# Altium PCB USB3.2_Hub_4Port.PcbDoc (part 2 of 4) (continued)
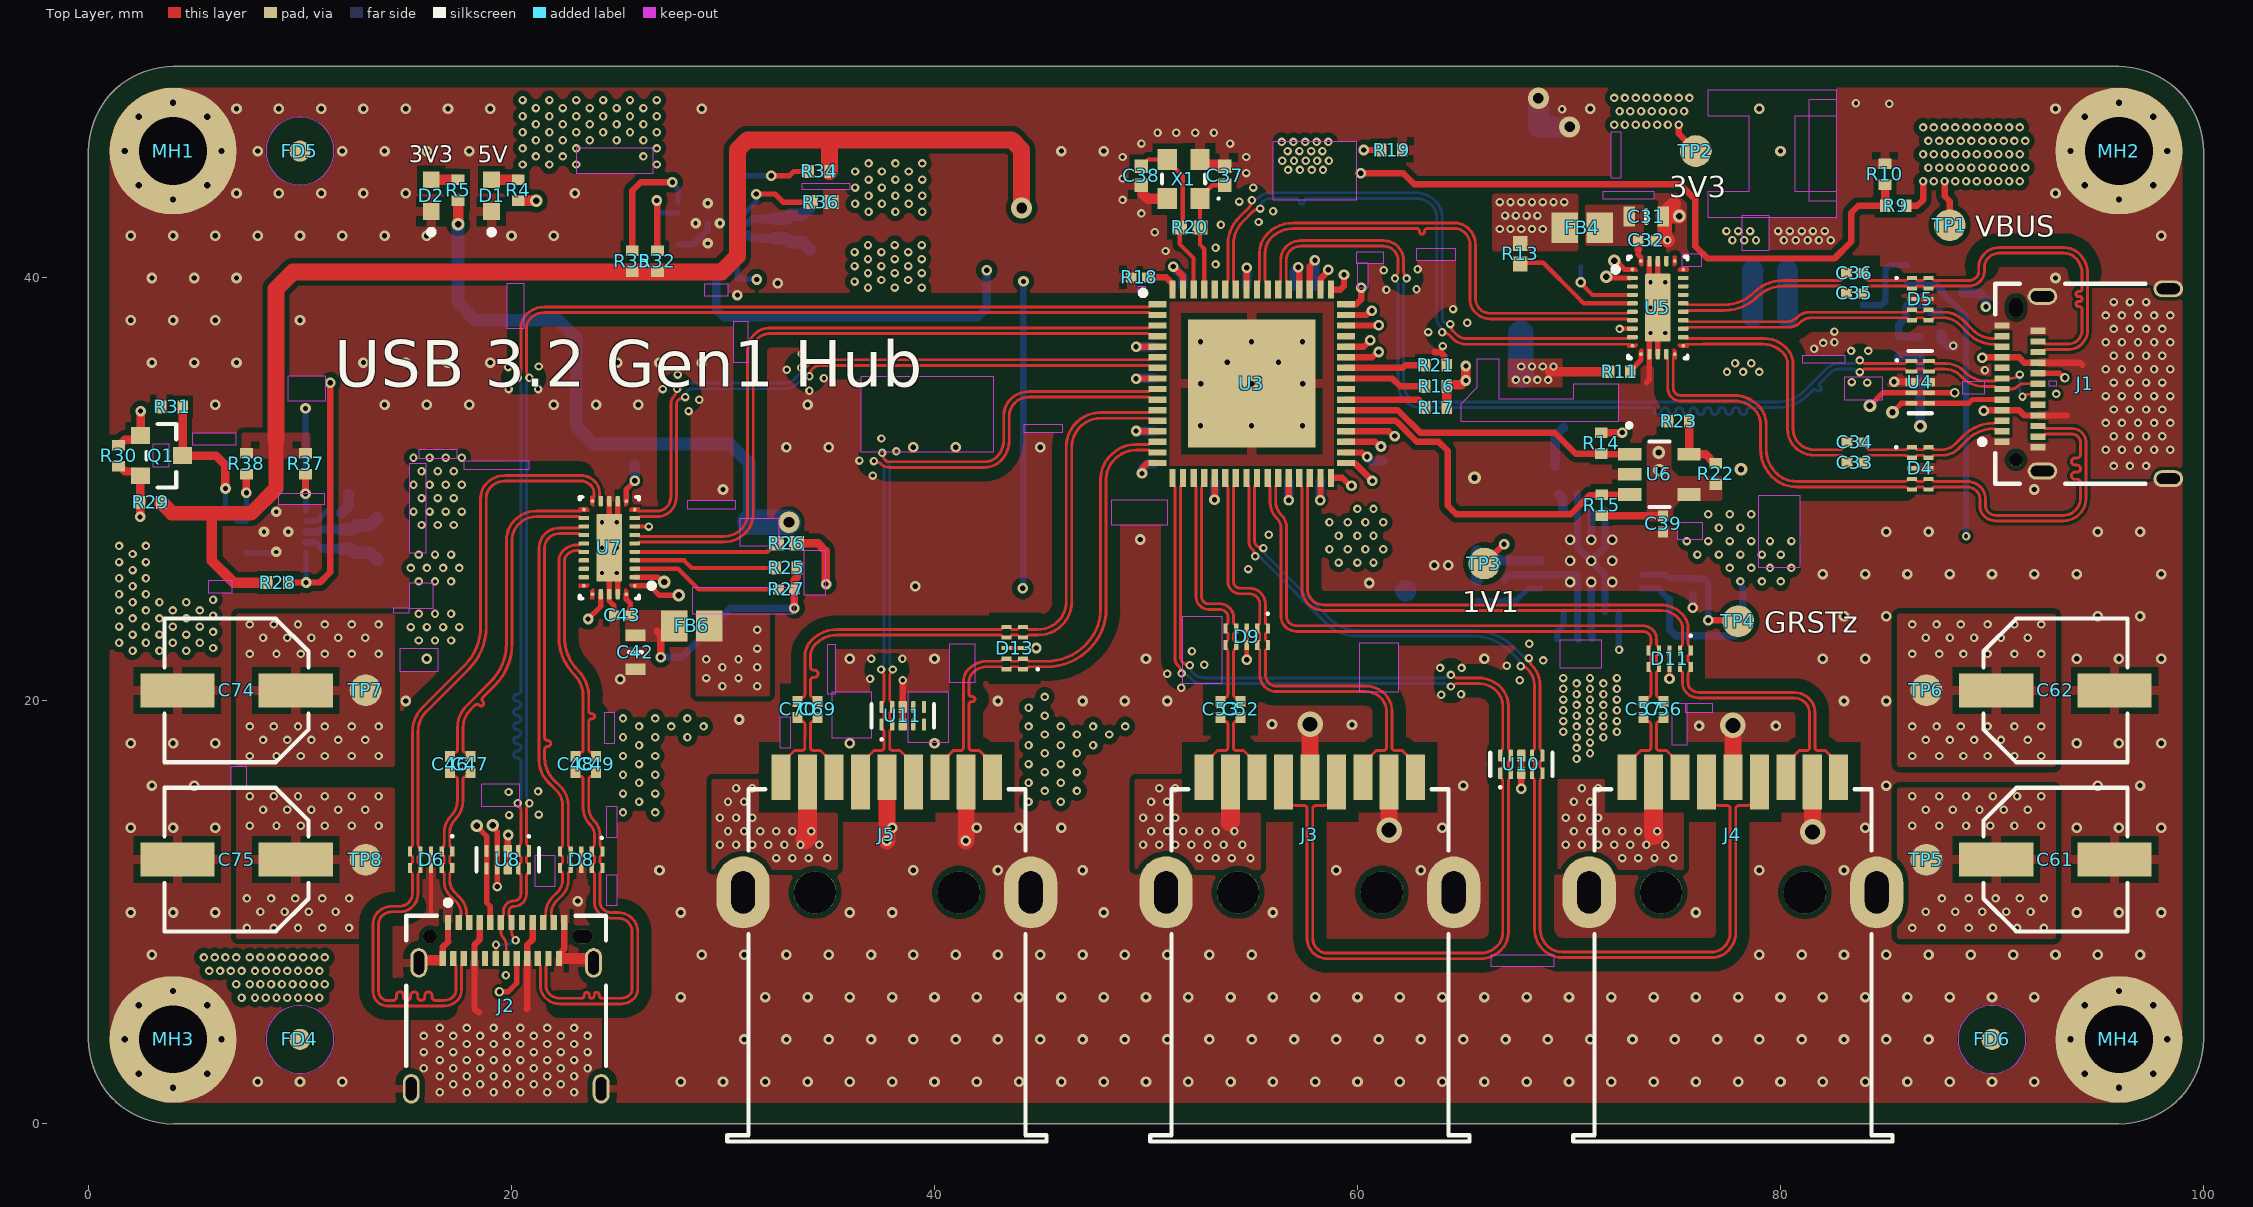
[diagram p0: Top Layer view]
## Nets (pads, with @x,y where several pads share a name; then routed paths per layer and width w, separated by ;. In a path a pad name is that pad's centre, name@x,y a point inside that pad or via, vN(x,y) a via of type N, cw(c..) or ccw(c..) an arc to the next point about the centre after c; other vN are vias at no path point) (continued)
  Bottom Layer w0.3: U1.1@83.876,38.717 84.767,38.717 84.963,38.913 84.963,40.437 85.143,40.617 U1.4@85.976,40.617
  other v1: 29.972,20.701 31.623,20.701 29.21,21.082 30.734,21.082 29.972,21.59 31.623,21.59 29.21,21.971 30.734,21.971 2.083,22.377 3.353,22.377 4.623,22.377 31.623,22.479 5.893,22.504 1.448,22.758 2.718,22.758 3.988,22.758 5.258,22.758 2.083,23.139 3.353,23.139 4.623,23.139 5.893,23.266 31.623,23.368 1.448,23.52 2.718,23.52 3.988,23.52 5.258,23.52 2.083,23.901 3.353,23.901 4.623,23.901 5.893,24.028 1.448,24.282 2.718,24.282 3.988,24.282 5.258,24.282 2.083,24.663 3.353,24.663 4.623,24.663 5.893,24.79 1.448,25.044 2.718,25.044 2.083,25.425 1.448,25.806 2.718,25.806 2.083,26.187 1.448,26.568 2.718,26.568 2.083,26.949 1.448,27.33 2.718,27.33 95.758,31.115 96.52,31.115 97.282,31.115 95.377,31.877 96.139,31.877 96.901,31.877 97.663,31.877 98.425,31.877 95.758,32.512 96.52,32.512 97.282,32.512 98.044,32.512 95.377,33.147 96.139,33.147 96.901,33.147 97.663,33.147 98.425,33.147 95.758,33.782 96.52,33.782 97.282,33.782 98.044,33.782 95.377,34.417 96.139,34.417 96.901,34.417 97.663,34.417 98.425,34.417 95.758,35.052 96.52,35.052 97.282,35.052 98.044,35.052 95.377,35.687 96.139,35.687 96.901,35.687 97.663,35.687 98.425,35.687 95.758,36.322 96.52,36.322 97.282,36.322 98.044,36.322 95.377,36.957 96.139,36.957 96.901,36.957 97.663,36.957 98.425,36.957 95.758,37.592 96.52,37.592 97.282,37.592 98.044,37.592 95.377,38.227 96.139,38.227 96.901,38.227 97.663,38.227 98.425,38.227 95.758,38.862 96.52,38.862 97.282,38.862 66.726,42.316 67.234,42.316 67.742,42.316 68.25,42.316 68.758,42.316 66.98,42.951 67.488,42.951 67.996,42.951 68.504,42.951 66.726,43.586 67.234,43.586 67.742,43.586 68.25,43.586 68.758,43.586 69.266,43.586 69.774,43.586 87.249,44.577 88.265,44.577 88.773,44.577 89.281,44.577 89.789,44.577 90.297,44.577 90.805,44.577 91.313,44.577 86.995,45.212 87.503,45.212 88.011,45.212 88.519,45.212 89.027,45.212 89.535,45.212 90.043,45.212 90.551,45.212 91.059,45.212 91.567,45.212 20.523,45.364 21.793,45.364 23.063,45.364 26.873,45.364 21.158,45.745 22.428,45.745 26.238,45.745 86.741,45.847 87.249,45.847 87.757,45.847 88.265,45.847 88.773,45.847 89.281,45.847 89.789,45.847 90.297,45.847 90.805,45.847 91.313,45.847 20.523,46.126 21.793,46.126 23.063,46.126 26.873,46.126 86.995,46.482 87.503,46.482 88.011,46.482 88.519,46.482 89.027,46.482 89.535,46.482 90.043,46.482 90.551,46.482 91.059,46.482 91.567,46.482 21.158,46.507 22.428,46.507 23.698,46.507 24.968,46.507 26.238,46.507 20.523,46.888 21.793,46.888 23.063,46.888 24.333,46.888 25.603,46.888 26.873,46.888 86.741,47.117 87.249,47.117 87.757,47.117 88.265,47.117 88.773,47.117 89.281,47.117 89.789,47.117 90.297,47.117 90.805,47.117 91.313,47.117 21.158,47.269 22.428,47.269 23.698,47.269 24.968,47.269 26.238,47.269 20.523,47.65 21.793,47.65 23.063,47.65 24.333,47.65 25.603,47.65 26.873,47.65 21.158,48.031 22.428,48.031 23.698,48.031 24.968,48.031 26.238,48.031 20.523,48.412 21.793,48.412 23.063,48.412 24.333,48.412 25.603,48.412 26.873,48.412
BUCK_FB: C10.2 R1.1 R3.2 U1.6 | length 4.3
  Bottom Layer w0.35: R1.1@85.575,37.263 85.617,37.221 86.558,37.221 C10.2@86.6,37.179 ; R1.1@85.588,37.263 85.588,37.785 85.934,38.131 85.934,38.633 85.976,38.675 U1.6@85.976,38.717 ; U1.6@86.146,38.717 86.759,38.717 87.106,38.37 87.555,38.37 R3.2@87.579,38.346
BUCK_PG: R2.1 U1.5 U2.11 | length 35.4
  Int2 (Sign) w0.3: v1(72.365,22.424) 79.955,22.424 82.55,25.019 88.011,25.019 88.773,25.781 v1(88.773,27.788)
  Bottom Layer w0.3: U2.11@72.35,24.225 72.357,24.218 72.357,22.431 v1(72.365,22.424) ; R2.1@87.65,39.3 88.773,38.177 v1(88.773,27.788)
  Bottom Layer w0.35: U1.5@85.976,39.667 87.383,39.667 87.65,39.4 R2.1@87.65,39.35
CC1_DN1: J2.A5 U7.2 U8.5 U8.6 | length 25.3
  Top Layer w0.25: v3(18.364,14.097) 18.364,14.064 18.384,14.044 18.825,13.603 U8.6@18.825,12.083 18.825,10.461 19,10.286 J2.A5@19,9.525 ; U7.2@25.825,25.85 26.913,25.85 27.134,25.629 v3(27.229,25.629)
  Int2 (Sign) w0.3: v3(18.364,14.097) 18.364,20.422 19.533,21.59 25.171,21.59 25.984,22.403 25.984,25.248 26.365,25.629 v3(27.229,25.629)
CC1_UP: J1.A5 U4.5 U4.6 U5.2 | length 27.3
  Top Layer w0.25: v3(71.755,40.056) 71.811,40 U5.2@72.875,40 ; v3(85.293,33.655) 85.713,34.075 U4.5@86.182,34.075 88.9,34.075 89.075,34.25 J1.A5@90.475,34.25
  Int2 (Sign) w0.3: v3(71.755,40.056) 71.272,39.573 71.272,33.934 71.882,33.325 84.882,33.325 85.212,33.655 v3(85.293,33.655)
CC2_DN1: J2.B5 U7.1 U8.4 U8.7 | length 33.2
  Top Layer w0.25: v3(19.114,14.128) 19.114,14.044 19.114,14.033 19.327,13.819 19.327,12.92 U8.4@19.325,12.918 U8.7@19.325,12.083 19.327,12.08 19.327,11.229 v8(19.329,11.227) ; v8(19.431,6.248) 19.837,6.248 20.25,6.661 J2.B5@20.25,7.825 ; U7.1@25.825,25.45 26.545,25.45 27.002,24.994 v3(27.915,24.994)
  Int2 (Sign) w0.25: v8(19.329,11.227) 18.669,11.227 18.034,10.592 18.034,6.604 18.39,6.248 v8(19.431,6.248)
  Int2 (Sign) w0.3: v3(19.114,14.128) 19.114,19.647 19.939,20.472 26.975,20.472 27.94,21.438 27.94,24.968 v3(27.915,24.994)
CC2_UP: J1.B5 U4.4 U4.7 U5.1 | length 34.3
  Top Layer w0.25: v3(72.136,40.818) 72.217,40.818 72.635,40.4 U5.1@73,40.4 ; v3(84.226,33.96) 84.82,34.554 84.842,34.575 U4.7@87.017,34.575 87.019,34.577 88.242,34.577 v8(88.244,34.579) ; J1.B5@92.175,35.5 93.173,35.5 93.392,35.281 v8(93.447,35.281)
  Int2 (Sign) w0.25: v8(88.244,34.579) 88.244,33.066 88.57,32.741 93.472,32.741 93.777,33.045 93.777,34.95 v8(93.447,35.281)
  Int2 (Sign) w0.3: v3(72.136,40.818) 73.05,39.903 73.05,39.116 73.05,37.033 73.05,34.696 73.787,33.96 v3(84.226,33.96)
DN1_VBUS: C74.1 C76.1 C77.1 FB7.1 R26.1 TP7.1 U12.9 | length 29.7
  Top Layer w0.4: R26.1@33.479,27.457 34.493,27.457 34.855,27.096 34.855,25.546 v2(34.874,25.527)
  Int2 (Sign) w0.4: v1(17.526,26.289) 20.701,26.289 21.133,26.721 21.133,28.677 21.768,29.312 27.864,29.312 28.372,28.804 28.423,28.753 28.423,26.645 28.423,26.137 29.032,25.527 v2(34.874,25.527)
  Bottom Layer w0.25: U12.9@10.275,27.5 U12.9@10.28,27.495
  Bottom Layer w0.35: U12.9@10.28,27.495 10.757,27.495 11.049,27.203 11.252,27.203
  Bottom Layer w0.45: 11.252,27.203 11.947,27.203 C77.1@11.95,27.2
  Bottom Layer w0.6: C77.1@11.95,27.2 12.399,27.2 12.588,27.01 13.312,27.01 C76.1@13.64,26.683
  other v1: 7.239,5.969 7.874,5.969 8.382,5.969 8.89,5.969 9.398,5.969 9.906,5.969 10.414,5.969 10.922,5.969 6.985,6.604 7.62,6.604 8.128,6.604 8.636,6.604 9.144,6.604 9.652,6.604 10.16,6.604 10.668,6.604 11.176,6.604 5.715,7.239 6.223,7.239 6.731,7.239 7.239,7.239 7.874,7.239 8.382,7.239 8.89,7.239 9.398,7.239 9.906,7.239 10.414,7.239 10.922,7.239 5.461,7.874 5.969,7.874 6.477,7.874 6.985,7.874 7.62,7.874 8.128,7.874 8.636,7.874 9.144,7.874 9.652,7.874 10.16,7.874 10.668,7.874 11.176,7.874 7.62,17.399 8.89,17.399 10.033,17.399 11.176,17.399 12.446,17.399 13.716,17.399 8.255,18.161 9.398,18.161 10.541,18.161 11.811,18.161 13.081,18.161 7.62,18.796 8.763,18.796 9.906,18.796 11.176,18.796 12.446,18.796 13.716,18.796 7.62,22.225 8.89,22.225 10.033,22.225 11.176,22.225 12.446,22.225 13.716,22.225 15.621,22.86 16.383,22.86 17.145,22.86 8.255,22.987 9.398,22.987 10.541,22.987 11.811,22.987 13.081,22.987 15.24,23.495 16.002,23.495 16.764,23.495 17.526,23.495 7.62,23.622 8.763,23.622 9.906,23.622 11.176,23.622 12.446,23.622 13.716,23.622 15.621,24.13 16.383,24.13 17.145,24.13 15.621,25.654 16.383,25.654 17.145,25.654 15.24,26.289 16.002,26.289 16.764,26.289 15.621,26.924 16.383,26.924 17.145,26.924
DN2_VBUS: C75.1 C78.1 C79.1 FB11.1 TP8.1 U12.8 | length 3.6
  Bottom Layer w0.35: U12.8@10.275,28 10.906,28 11.027,28.121 11.274,28.121
  Bottom Layer w0.45: 11.274,28.121 C79.1@11.95,28.121
  Bottom Layer w0.6: C79.1@11.95,28.121 12.475,28.121 12.664,28.311 13.312,28.311 C78.1@13.64,28.638
  other v1: 7.493,9.271 8.763,9.271 9.906,9.271 11.049,9.271 12.319,9.271 8.128,10.033 9.271,10.033 10.414,10.033 11.684,10.033 7.493,10.668 8.636,10.668 9.779,10.668 11.049,10.668 12.319,10.668 7.62,14.097 8.89,14.097 10.033,14.097 11.176,14.097 12.446,14.097 13.716,14.097 25.273,14.732 26.797,14.732 8.255,14.859 9.398,14.859 10.541,14.859 11.811,14.859 13.081,14.859 26.035,15.24 7.62,15.494 8.763,15.494 9.906,15.494 11.176,15.494 12.446,15.494 13.716,15.494 25.273,15.621 26.797,15.621 26.035,16.129 25.273,16.51 26.797,16.51 26.035,17.018 25.273,17.399 26.797,17.399 26.035,17.907 25.273,18.288 26.797,18.288 28.321,18.288 26.035,18.796 27.559,18.796 29.083,18.796 25.273,19.177 26.797,19.177 28.321,19.177 15.748,28.321 16.51,28.321 17.272,28.321 15.367,28.956 16.129,28.956 16.891,28.956 17.653,28.956 15.748,29.591 16.51,29.591 17.272,29.591 15.367,30.226 16.129,30.226 16.891,30.226 17.653,30.226 15.748,30.861 16.51,30.861 17.272,30.861 15.367,31.496 16.129,31.496 16.891,31.496 17.653,31.496
DN3_VBUS: C61.1 C63.1 C64.1 FB8.1 TP5.1 U9.9 | length 3.7
  Bottom Layer w0.35: U9.9@30.678,42.085 31.143,42.085 31.344,41.885 31.699,41.885
  Bottom Layer w0.45: 31.699,41.885 32.433,41.885 C64.1@32.436,41.882
  Bottom Layer w0.6: C64.1@32.436,41.882 32.972,41.882 33.162,41.692 33.759,41.692 C63.1@34.087,41.364
  other v1: 86.233,9.271 87.63,9.271 88.9,9.271 90.043,9.271 91.186,9.271 92.456,9.271 86.868,10.033 88.265,10.033 89.535,10.033 90.678,10.033 91.821,10.033 87.63,10.668 88.9,10.668 90.17,10.668 91.313,10.668 92.456,10.668 86.233,14.097 87.503,14.097 88.773,14.097 89.916,14.097 91.059,14.097 92.329,14.097 86.868,14.859 88.138,14.859 89.408,14.859 90.551,14.859 91.694,14.859 44.45,15.24 45.974,15.24 86.233,15.494 87.503,15.494 88.773,15.494 90.043,15.494 91.186,15.494 92.329,15.494 45.212,15.748 46.736,15.748 44.45,16.129 45.974,16.129 45.212,16.637 46.736,16.637 44.45,17.018 45.974,17.018 45.212,17.526 46.736,17.526 44.45,17.907 45.974,17.907 47.498,17.907 45.212,18.415 46.736,18.415 48.26,18.415 44.45,18.796 45.974,18.796 47.498,18.796 49.022,18.796 45.212,19.304 44.45,19.685 45.212,20.193 36.855,39.548 38.125,39.548 39.395,39.548 36.22,39.827 37.49,39.903 38.76,39.903 36.855,40.234 38.125,40.234 39.395,40.234 36.22,40.564 37.49,40.564 38.76,40.564 36.855,40.894 38.125,40.894 39.395,40.894 36.22,41.224 37.49,41.224 38.76,41.224 36.855,41.554 38.125,41.554 39.395,41.554
DN4_VBUS: C62.1 C65.1 C66.1 FB9.1 TP6.1 U9.8 | length 3.7
  Bottom Layer w0.35: U9.8@30.678,42.585 31.155,42.585 31.371,42.801 31.824,42.801
  Bottom Layer w0.45: 31.824,42.801 C66.1@32.436,42.801
  Bottom Layer w0.6: C66.1@32.436,42.801 32.972,42.801 33.162,42.992 33.759,42.992 C65.1@34.087,43.319
  other v1: 70.358,17.272 86.233,17.399 87.503,17.399 88.646,17.399 89.789,17.399 91.059,17.399 92.329,17.399 70.993,17.526 70.358,17.78 70.993,18.034 86.868,18.161 88.011,18.161 89.154,18.161 90.424,18.161 91.694,18.161 70.358,18.288 71.628,18.288 69.723,18.542 70.993,18.542 72.263,18.542 70.358,18.796 71.628,18.796 86.233,18.796 87.376,18.796 88.519,18.796 89.789,18.796 91.059,18.796 92.329,18.796 69.723,19.05 70.993,19.05 72.263,19.05 70.358,19.304 71.628,19.304 69.723,19.558 70.993,19.558 72.263,19.558 70.358,19.812 71.628,19.812 69.723,20.066 70.993,20.066 72.263,20.066 70.358,20.32 71.628,20.32 69.723,20.574 70.993,20.574 72.263,20.574 70.358,20.828 71.628,20.828 69.723,21.082 70.993,21.082 72.263,21.082 86.233,22.225 87.503,22.225 88.646,22.225 89.789,22.225 91.059,22.225 92.329,22.225 86.868,22.987 88.011,22.987 89.154,22.987 90.424,22.987 91.694,22.987 86.233,23.622 87.376,23.622 88.519,23.622 89.789,23.622 91.059,23.622 92.329,23.622 36.881,43.129 38.151,43.129 39.421,43.129 36.246,43.51 37.516,43.51 38.786,43.51 36.881,43.891 38.151,43.891 39.421,43.891 36.246,44.272 37.516,44.272 38.786,44.272 36.881,44.653 38.151,44.653 39.421,44.653 36.246,45.034 37.516,45.034 38.786,45.034 36.881,45.415 38.151,45.415 39.421,45.415
EN1: Q1.3 R31.2 U12.4 | length 7.8
  Top Layer w0.4: R31.2@4.45,33.9 Q1.3@4.45,31.6 6.017,31.6 6.468,31.149 6.468,30.057 v2(6.477,30.048)
  Bottom Layer w0.25: v2(6.477,30.048) 6.477,29.058 7.035,28.5 U12.4@7.475,28.5
GND: C1.2 C2.2 C3.2 C4.2 C5.2 C6.2 C7.2 C8.2 C9.2 C11.2 C12.2 C13.2 C14.2 C15.2 C16.2 C17.2 C18.2 C19.2 C20.2 C21.2 C22.2 C23.2 C24.2 C25.2 C26.1 C27.2 C28.1 C29.1 C30.2 C31.1 C32.2 C37.1 C38.1 C39.2 C40.1 C41.2 C42.1 C43.2 C44.2 C45.1 C50.1 C51.2 C54.1 C55.2 C58.2 C59.2 C60.2 C61.2 C62.2 C63.2 C64.2 C65.2 C66.2 C67.1 C68.2 C71.2 C72.2 C73.2 C74.2 C75.2 C76.2 C77.2 C78.2 C79.2 D1.1 D2.1 D3.1 D4.3 D4.8 D5.3 D5.8 D6.3 D6.8 D7.1 D8.3 D8.8 D9.3 D9.8 D10.1 D11.3 D11.8 D12.1 D13.3 D13.8 D14.1 J1.1 J1.2 J1.3 J1.4 J1.A1 J1.A12 J1.B1 J1.B12 J2.1 J2.2 J2.3 J2.4 J2.A1 J2.A12 J2.B1 J2.B12 J3.4 J3.7 J3.Shell J4.4 J4.7 J4.Shell J5.4 J5.7 J5.Shell MH1.1 MH2.1 MH3.1 MH4.1 R3.1 R8.1 R10.1 R12.1 R18.2 R19.1 R21.2 R23.2 R31.1 R36.1 R39.1 U1.2 U2.2 U2.3 U2.4 U2.12 U2.13 U2.14 U2.17 U2.21 U3.65 U4.3 U4.8 U5.12 U5.13 U5.28 U5.29 U5.31 U6.2 U7.12 U7.13 U7.28 U7.29 U7.31 U8.3 U8.8 U9.1 U9.11 U10.3 U10.8 U11.3 U11.8 U12.1 U12.11 X1.2 X1.4 | length 92.9
  Top Layer w0.2: D6.3@16.2,12.888 16.2,9.835 16.205,9.83 ; D8.8@23.3,12.113 D8.3@23.3,12.888 ; D13.8@43.4,22.5 44.801,22.5 v2(44.806,22.504) ; v2(54.762,21.946) D9.8@54.762,22.65 D9.3@54.762,23.425 ; v2(74.752,21.057) D11.3@74.752,22.387 ; D4.3@86.212,31 D4.8@86.987,31 ; D5.3@86.212,39 D5.8@86.987,39
  Top Layer w0.25: U7.13@24.625,29.45 U7.31@24.625,27.25 ; C43.2@24.869,24.054 24.838,24.084 24.838,24.282 24.838,24.519 24.625,24.732 U7.31@24.625,27.25 ; v4(24.975,28.45) 25.025,28.5 U7.12@25.025,29.45 ; U7.29@25.025,25.05 25.025,26.85 U7.31@24.625,27.25 ; 73.66,35.052 73.8,35.192 U5.12@73.8,36.4 73.8,37.35 v4(73.85,37.4) ; U5.29@73.8,40.8 73.8,39.85 v4(73.85,39.8) ; U5.13@74.2,36.4 U5.31@74.2,38.6 U5.28@74.2,40.8
  Top Layer w0.3: J2.B12@16.75,7.825 16.75,8.368 17.005,8.623 17,8.629 J2.A1@17,9.525 ; v2(19.852,13.665) 19.825,13.638 U8.3@19.825,12.918 U8.8@19.825,12.083 U8.8@19.871,12.036 ; J2.B1@22.25,7.825 22.25,8.025 22.5,8.275 J2.A12@22.5,9.525 ; U11.3@38.5,18.882 U11.8@38.5,19.717 38.503,19.721 v1(38.503,20.977) ; 63.642,36.482 63.935,36.482 64.111,36.306 64.111,35.973 R21.2@64.211,35.873 ; v2(67.742,15.85) 67.746,15.854 67.746,16.578 U10.3@67.75,16.582 U10.8@67.75,17.417 ; v2(85.369,35.1) 85.382,35.088 86.17,35.088 U4.3@86.182,35.075 U4.8@87.017,35.075
  Top Layer w0.4: C32.2@74.029,41.775 74.037,41.783 v1(74.651,41.783)
  Top Layer w0.5: J2.1@15.62,7.615 15.752,7.747 16.561,7.747 ; D2.1@16.206,43.237 D2.1@16.207,43.238 ; D1.1@19.051,43.161 D1.1@19.054,43.158 ; 22.454,7.823 23.741,7.823 23.88,7.685 J2.2@23.88,7.615 ; C38.1@49.784,44.381 49.854,44.311 49.854,43.977 50.077,43.754 X1.4@51.004,43.754 ; X1.2@52.554,45.604 52.554,45.556 52.754,45.356 53.651,45.356 53.721,45.286 C37.1@53.721,45.281
  Top Layer w0.7: C31.1@74.45,42.9 74.53,42.98 74.53,43.059 74.955,43.485 ; v1(74.651,41.783) 74.53,41.904 74.53,42.872 74.476,42.926 v3(75.209,42.926)
  Top Layer w0.8: v2(37.744,13.386) 37.75,13.391 J5.7@37.75,16.395 ; v2(41.478,13.386) 41.502,13.409 41.502,16.168 J5.4@41.5,16.17 ; J3.7@57.75,16.395 57.755,16.4 57.755,18.893 v6(57.76,18.898) ; v6(61.493,13.894) 61.497,13.897 61.497,16.167 J3.4@61.5,16.17 ; J4.7@77.75,16.395 v6(77.749,18.847) ; v6(81.517,13.809) J4.4@81.517,16.153
  Bottom Layer w0.3: U12.1@7.475,27 8.825,27 v4(8.875,27.05) ; U9.1@27.878,41.585 28.603,41.585 29.278,42.26 U9.11@29.278,42.585
  Bottom Layer w0.35: R8.1@66.95,25.704 66.95,25.725 67.2,25.975 U2.17@68.65,25.975 70.4,25.975 U2.14@70.4,24.225 70.4,22.975 C26.1@70.45,22.925 ; 70.4,29.834 U2.2@70.4,29.025 70.4,27.275 v5(71.05,26.625) ; v5(71.05,25.625) U2.13@71.05,24.225 71.05,23.1 71.095,23.055 71.095,22.962 ; v5(71.05,27.625) U2.3@71.05,29.025 ; U2.12@71.7,24.225 71.7,25.975 v5(71.05,26.625) ; U2.4@71.7,29.025 71.7,27.275 v5(71.05,26.625) ; v2(75.844,24.409) 75.847,24.412 75.847,25.022 C27.2@75.85,25.025
  Bottom Layer w0.5: C79.2@11.95,28.879 11.956,28.879 11.964,28.886 11.964,28.892 12.294,29.222 12.294,29.794 ; R3.1@87.579,37.346 87.629,37.346 87.629,37.087 87.922,36.794 v1(88.162,36.794)
  Bottom Layer w1: v7(68.555,48.5) 68.555,47.181 C16.2@68.58,47.155 68.593,47.142 v7(70.028,47.142) ; C14.2@80.322,38.15 C13.2@80.322,40.35
  other v1: 19.736,7.036 19.888,14.605 21.285,14.63 19.863,15.697 21.26,15.723 63.957,20.295 64.897,20.32 51.664,20.625 67.666,20.98 36.957,21.057 51.003,21.285 63.906,21.565 64.922,21.565 67.056,21.666 52.756,21.717 68.783,21.92 37.008,21.996 38.481,21.996 52.172,22.352 68.123,22.708 54.839,26.238 55.804,27.864 37.084,30.658 36.449,31.369 38.202,31.801 37.49,32.41 28.372,33.706 28.88,34.239 93.04,34.519 34.087,34.671 19.863,34.747 21.26,34.747 27.153,34.747 84.099,35.052 83.363,35.077 34.773,35.255 27.864,35.433 89.662,35.636 33.02,35.662 19.837,35.789 21.285,35.814 33.731,36.424 83.337,36.551 84.15,36.551 81.585,36.652 64.033,36.779 82.017,36.932 82.55,36.957 63.348,37.44 82.55,37.465 65.185,37.879 64.516,38.532 61.366,39.446 62.789,39.472 61.239,40.361 62.84,40.411 53.289,40.64 50.927,41.275 53.289,41.427 80.162,41.783 80.721,41.783 81.28,41.783 81.813,41.783 82.372,41.783 50.419,42.164 79.883,42.215 80.442,42.215 81.001,42.215 81.534,42.215 82.093,42.215 53.543,42.52 55.321,42.647 49.784,43.053 56.007,43.155 54.407,43.612 48.895,43.688 55.067,44.272 48.895,44.704 54.737,44.958 48.895,45.72 54.737,45.72 49.784,46.355 53.975,46.355 50.546,46.863 51.435,46.863 52.324,46.863 53.213,46.863 69.672,47.981 85.141,48.235 83.566,48.26
  other v2: 8,2 10,2 12,2 28,2 30,2 32,2 34,2 36,2 38,2 40,2 42,2 44,2 46,2 48,2 50,2 52,2 54,2 56,2 58,2 60,2 62,2 64,2 66,2 68,2 70,2 72,2 74,2 76,2 78,2 80,2 82,2 84,2 86,2 88,2 90,2 92,2 31,4 33,4 35,4 37,4 39,4 41,4 43,4 45,4 47,4 49,4 51,4 53,4 55,4 57,4 59,4 61,4 63,4 65,4 67,4 69,4 71,4 73,4 75,4 77,4 79,4 81,4 83,4 85,4 87,4 28,6 32,6 34,6 36,6 38,6 40,6 42,6 44,6 46,6 48,6 50,6 52,6 54,6 56,6 58,6 60,6 62,6 64,6 66,6 68,6 70,6 72,6 74,6 76,6 78,6 80,6 82,6 84,6 86,6 88,6 90,6 92,6 3,8 29,8 31,8 33,8 35,8 37,8 39,8 41,8 43,8 45,8 47,8 49,8 51,8 53,8 55,8 79,8 81,8 83,8 85,8 87,8 89,8 91,8 93,8 95,8 97,8 2,10 4,10 6,10 28,10 36,10 38,10 48,10 56,10 76,10 94,10 96,10 98,10 23.139,10.541 27,12 39,12 43,12 47,12 59,12 63,12 79,12 83,12 2,14 4,14 6,14 38,14 42,14 44,14 46,14 64,14 84,14 94,14 96,14 98,14 3,16 5,16 65,16 85,16 95,16 97,16 2,18 4,18 6,18 36,18 40,18 94,18 96,18 98,18 76.149,18.821 79.781,18.821 59.741,18.872 55.956,18.898 30.759,19.126 15,20 43,20 47,20 49,20 51,20 83,20 85,20 25.146,21.022 16,22 36,22 40,22 50,22 66,22 82,22 84,22 94,22 96,22 98,22 83,24 85,24 95,24 97,24 39.091,25.425 60.554,25.578 82,26 84,26 86,26 88,26 90,26 92,26 94,26 98,26 63.627,26.416 64.287,26.416 49.733,27.635 85,28 87,28 95,28 97,28 30,30 92,30 33,32 35,32 39,32 41,32 45,32 52.578,33.02 54.991,33.02 57.404,33.02 6,34 14,34 16,34 18,34 22,34 24,34 26,34 34,34 52.587,35 55,35 57.413,35 3,36 5,36 7,36 13,36 15,36 17,36 19,36 25,36 27,36 29,36 53.848,36.017 56.261,36.017 52.578,36.982 54.991,36.982 57.404,36.982 2,38 4,38 6,38 10,38 30.683,39.192 32.588,39.751 3,40 5,40 7,40 93,40 2,42 4,42 6,42 8,42 10,42 12,42 14,42 16,42 20,42 22,42 98,42 7,44 9,44 11,44 13,44 15,44 23,44 93,44 8,46 12,46 14,46 16,46 18,46 46,46 48,46 80,46 7,48 9,48 11,48 13,48 15,48 17,48 19,48 29,48 71,48 79,48 93,48
  other v3: 4,1.714 96,1.714 2.384,2.384 5.616,2.384 94.384,2.384 97.616,2.384 1.714,4 6.286,4 93.714,4 98.286,4 2.384,5.616 5.616,5.616 94.384,5.616 97.616,5.616 4,6.286 96,6.286 65.532,30.556 4,43.714 96,43.714 2.384,44.384 5.616,44.384 94.384,44.384 97.616,44.384 1.714,46 6.286,46 93.714,46 98.286,46 2.384,47.616 5.616,47.616 94.384,47.616 97.616,47.616 4,48.286 96,48.286
  other v4: 24.275,26.05 24.975,26.05 24.275,27.25 24.975,27.25 8.3,28 9.45,28 24.275,28.45 8.875,28.95 74.55,37.4 73.85,38.6 74.55,38.6 74.55,39.8 29.278,41.635 28.703,42.585 29.853,42.585 29.278,43.535
  other v5: 70.05,25.625 72.05,25.625 70.05,26.625 72.05,26.625 70.05,27.625 72.05,27.625
GRSTz: C27.1 R6.1 TP4.1 U2.9 U3.50 | length 71.2
  Top Layer w0.3: U3.50@58.25,39.45 58.25,39.959 58.623,40.332 v2(58.623,40.386) ; v2(76.581,23.816) 77.664,23.816 77.718,23.87 77.908,23.87 TP4.1@78.003,23.774
  Int2 (Sign) w0.3: v2(44.171,25.324) 44.171,24.613 44.958,23.825 76.572,23.825 v2(76.581,23.816) ; v2(44.207,39.838) 44.221,39.853 46.177,39.853 46.761,39.268 58.242,39.268 58.623,39.649 v2(58.623,40.386)
  Bottom Layer w0.3: v2(44.171,25.324) 44.189,25.342 44.189,39.82 v2(44.207,39.838) ; U2.9@73.45,25.975 74.55,25.975 74.7,25.825 R6.1@74.75,25.825 74.771,25.804 75.915,25.804 75.936,25.782 76.405,25.782 76.581,25.606 v2(76.581,23.816)
ID: Q1.1 R30.2 U7.27 | length 35.4
  Top Layer w0.25: v2(23.622,23.876) 24.225,24.479 U7.27@24.225,25.05
  Top Layer w0.4: R30.2@1.422,32.098 1.47,32.098 1.722,32.35 2.25,32.35 Q1.1@2.45,32.55 ; Q1.1@2.464,32.564 v2(2.464,33.706)
  Int2 (Sign) w0.3: v2(2.464,33.706) 1.778,33.706 1.245,33.172 1.245,28.524 1.702,28.067 6.045,28.067 6.553,27.559 6.553,25.502 7.036,25.019 22.479,25.019 v2(23.622,23.876)
LDO_FB: R7.1 R8.2 U2.16 | length 3.2
  Bottom Layer w0.25: R7.1@65.65,24.746 R8.2@66.95,24.746 66.97,24.767 67.515,24.767 68.06,25.312 68.637,25.312 U2.16@68.65,25.325
NetC26_2: C26.2 U2.15 | length 1.4
  Bottom Layer w0.3: C26.2@69.45,22.925 69.444,22.931 69.444,23.292 69.748,23.597 69.748,24.223 U2.15@69.75,24.225
NetC44_1: C44.1 C45.2 D7.2 FB7.2 J2.A4 J2.A9 J2.B4 J2.B9 | length 8.7
  Top Layer w0.3: 18.466,5.283 18.426,5.283 18.25,5.459 J2.B9@18.25,7.825 18.25,8.475 18.5,8.725 J2.A4@18.5,9.525 ; 20.726,5.436 20.75,5.459 J2.B4@20.75,7.825 20.75,8.475 21,8.725 J2.A9@21,9.525
  other v1: 16.612,1.497 17.882,1.497 19.152,1.497 20.422,1.497 21.692,1.497 22.962,1.497 17.247,1.878 18.517,1.878 19.787,1.878 21.057,1.878 22.327,1.878 16.612,2.259 17.882,2.259 19.152,2.259 20.422,2.259 21.692,2.259 22.962,2.259 15.85,2.64 17.247,2.64 18.517,2.64 19.787,2.64 21.057,2.64 22.327,2.64 23.597,2.64 16.612,3.021 17.882,3.021 19.152,3.021 20.422,3.021 21.692,3.021 22.962,3.021 15.85,3.402 17.247,3.402 18.517,3.402 19.787,3.402 21.057,3.402 22.327,3.402 23.597,3.402 16.612,3.783 17.882,3.783 19.152,3.783 20.422,3.783 21.692,3.783 22.962,3.783 15.85,4.164 17.247,4.164 18.517,4.164 19.787,4.164 21.057,4.164 22.327,4.164 23.597,4.164 16.612,4.545 17.882,4.545 19.152,4.545 20.422,4.545 21.692,4.545 22.962,4.545
NetC50_2: C50.2 C51.1 D10.2 FB8.2 J3.1 | length 1.9
  Top Layer w0.9: 53.975,14.275 54,14.3 J3.1@54,16.17
  other v1: 52.527,12.573 53.289,12.573 54.051,12.573 54.94,12.573 49.86,13.208 50.622,13.208 51.384,13.208 52.146,13.208 52.908,13.208 53.67,13.208 54.559,13.208 50.241,13.843 51.003,13.843 51.765,13.843 52.527,13.843 53.289,13.843 54.178,13.843 49.86,14.478 50.622,14.478 51.384,14.478 50.241,15.24 51.003,15.24 50.622,15.875 51.384,15.875
NetC54_2: C54.2 C55.1 D12.2 FB9.2 J4.1 | length 2.5
  Top Layer w0.9: J4.1@74,16.17 74,13.655 74.016,13.64
  other v1: 72.517,12.573 73.279,12.573 74.041,12.573 74.93,12.573 69.85,13.208 70.612,13.208 71.374,13.208 72.136,13.208 72.898,13.208 73.66,13.208 74.549,13.208 70.231,13.843 70.993,13.843 71.755,13.843 72.517,13.843 73.279,13.843 74.168,13.843 69.85,14.478 70.612,14.478 71.374,14.478 70.231,15.24 70.993,15.24 70.612,15.875 71.374,15.875
NetC58_1: C58.1 C59.1 C60.1 FB10.2 U9.2 U9.3
NetC67_2: C67.2 C68.1 D14.2 FB11.2 J5.1 | length 2.8
  Top Layer w0.9: 33.884,13.437 34,13.553 J5.1@34,16.17
  other v1: 32.522,12.573 33.284,12.573 34.046,12.573 34.935,12.573 29.855,13.208 30.617,13.208 31.379,13.208 32.141,13.208 32.903,13.208 33.665,13.208 34.554,13.208 30.236,13.843 30.998,13.843 31.76,13.843 32.522,13.843 33.284,13.843 34.173,13.843 29.855,14.478 30.617,14.478 31.379,14.478 30.236,15.24 30.998,15.24 30.617,15.875 31.379,15.875
NetC71_1: C71.1 C72.1 C73.1 FB12.2 U12.2 U12.3
NetD1_2: D1.2 R4.1 | length 1.3
  Top Layer w0.5: D1.2@19.057,44.644 19.058,44.645 R4.1@20.32,44.645
NetD2_2: D2.2 R5.1 | length 1.3
  Top Layer w0.5: D2.2@16.207,44.644 17.424,44.644 17.425,44.645 R5.1@17.475,44.645
NetL1_1: L1.1 U1.3
NetR11_1: R11.1 U5.11 | length 1.1
  Top Layer w0.25: R11.1@72.89,35.56 72.89,35.61 73.4,36.12 U5.11@73.4,36.4
NetR12_2: R12.2 U5.4 | length 3.5
  Top Layer w0.2: v2(70.561,39.802) 70.561,39.751 71.112,39.2 U5.4@73,39.2
  Bottom Layer w0.2: R12.2@70.553,40.538 70.557,40.534 70.557,39.806 v2(70.561,39.802)
NetR13_2: R13.2 U5.5 | length 6.1
  Top Layer w0.2: R13.2@67.691,40.669 67.742,40.72 68.779,40.72 70.383,39.116 70.699,38.8 U5.5@73,38.8
NetR16_2: R16.2 U3.41 | length 3.9
  Top Layer w0.3: U3.41@59.45,35.25 61.65,35.25 62.027,34.873 R16.2@63.211,34.873
NetR17_2: R17.2 U3.39 | length 3.9
  Top Layer w0.3: U3.39@59.45,34.25 62.884,34.25 63.211,33.923 R17.2@63.211,33.873
NetR18_1: R18.1 U3.64 | length 1.6
  Top Layer w0.3: R18.1@50.061,40.03 50.945,40.03 51.25,39.725 U3.64@51.25,39.45
NetR19_2: R19.2 U3.49 | length 8.6
  Top Layer w0.3: U3.49@58.75,39.45 59.184,39.45 59.36,39.626 v2(59.36,40.157) ; v2(60.3,46.05) R19.2@61.12,46.05
  Int2 (Sign) w0.3: v2(59.36,40.157) 59.36,42.215 59.36,45.593 59.817,46.05 v2(60.3,46.05)
NetR21_1: R21.1 U3.42 | length 3.8
  Top Layer w0.3: U3.42@59.45,35.75 62.141,35.75 62.264,35.873 R21.1@63.211,35.873
NetR22_2: R22.2 R23.1 U6.5 | length 3
  Top Layer w0.4: R23.1@75.684,33.223 75.68,33.219 75.68,31.67 U6.5@75.676,31.666 75.684,31.674 76.447,31.674 76.887,31.234 R22.2@76.937,31.234
NetR24_1: R24.1 U7.11 | length 1.9
  Top Layer w0.25: U7.11@25.425,29.45 25.425,30.006 v2(25.832,30.412)
  Bottom Layer w0.5: v2(25.832,30.412) R24.1@25.832,31.148
NetR25_2: R25.2 U7.4 | length 6.8
  Top Layer w0.2: U7.4@25.825,26.65 28.163,26.65 28.524,26.289 R25.2@32.5,26.289
NetR26_2: R26.2 U7.5 | length 6.9
  Top Layer w0.2: U7.5@25.825,27.05 32.093,27.05 32.5,27.457 R26.2@32.521,27.457